# KiCad board CRMHJN_capable_carrier.kicad_pcb (continued)
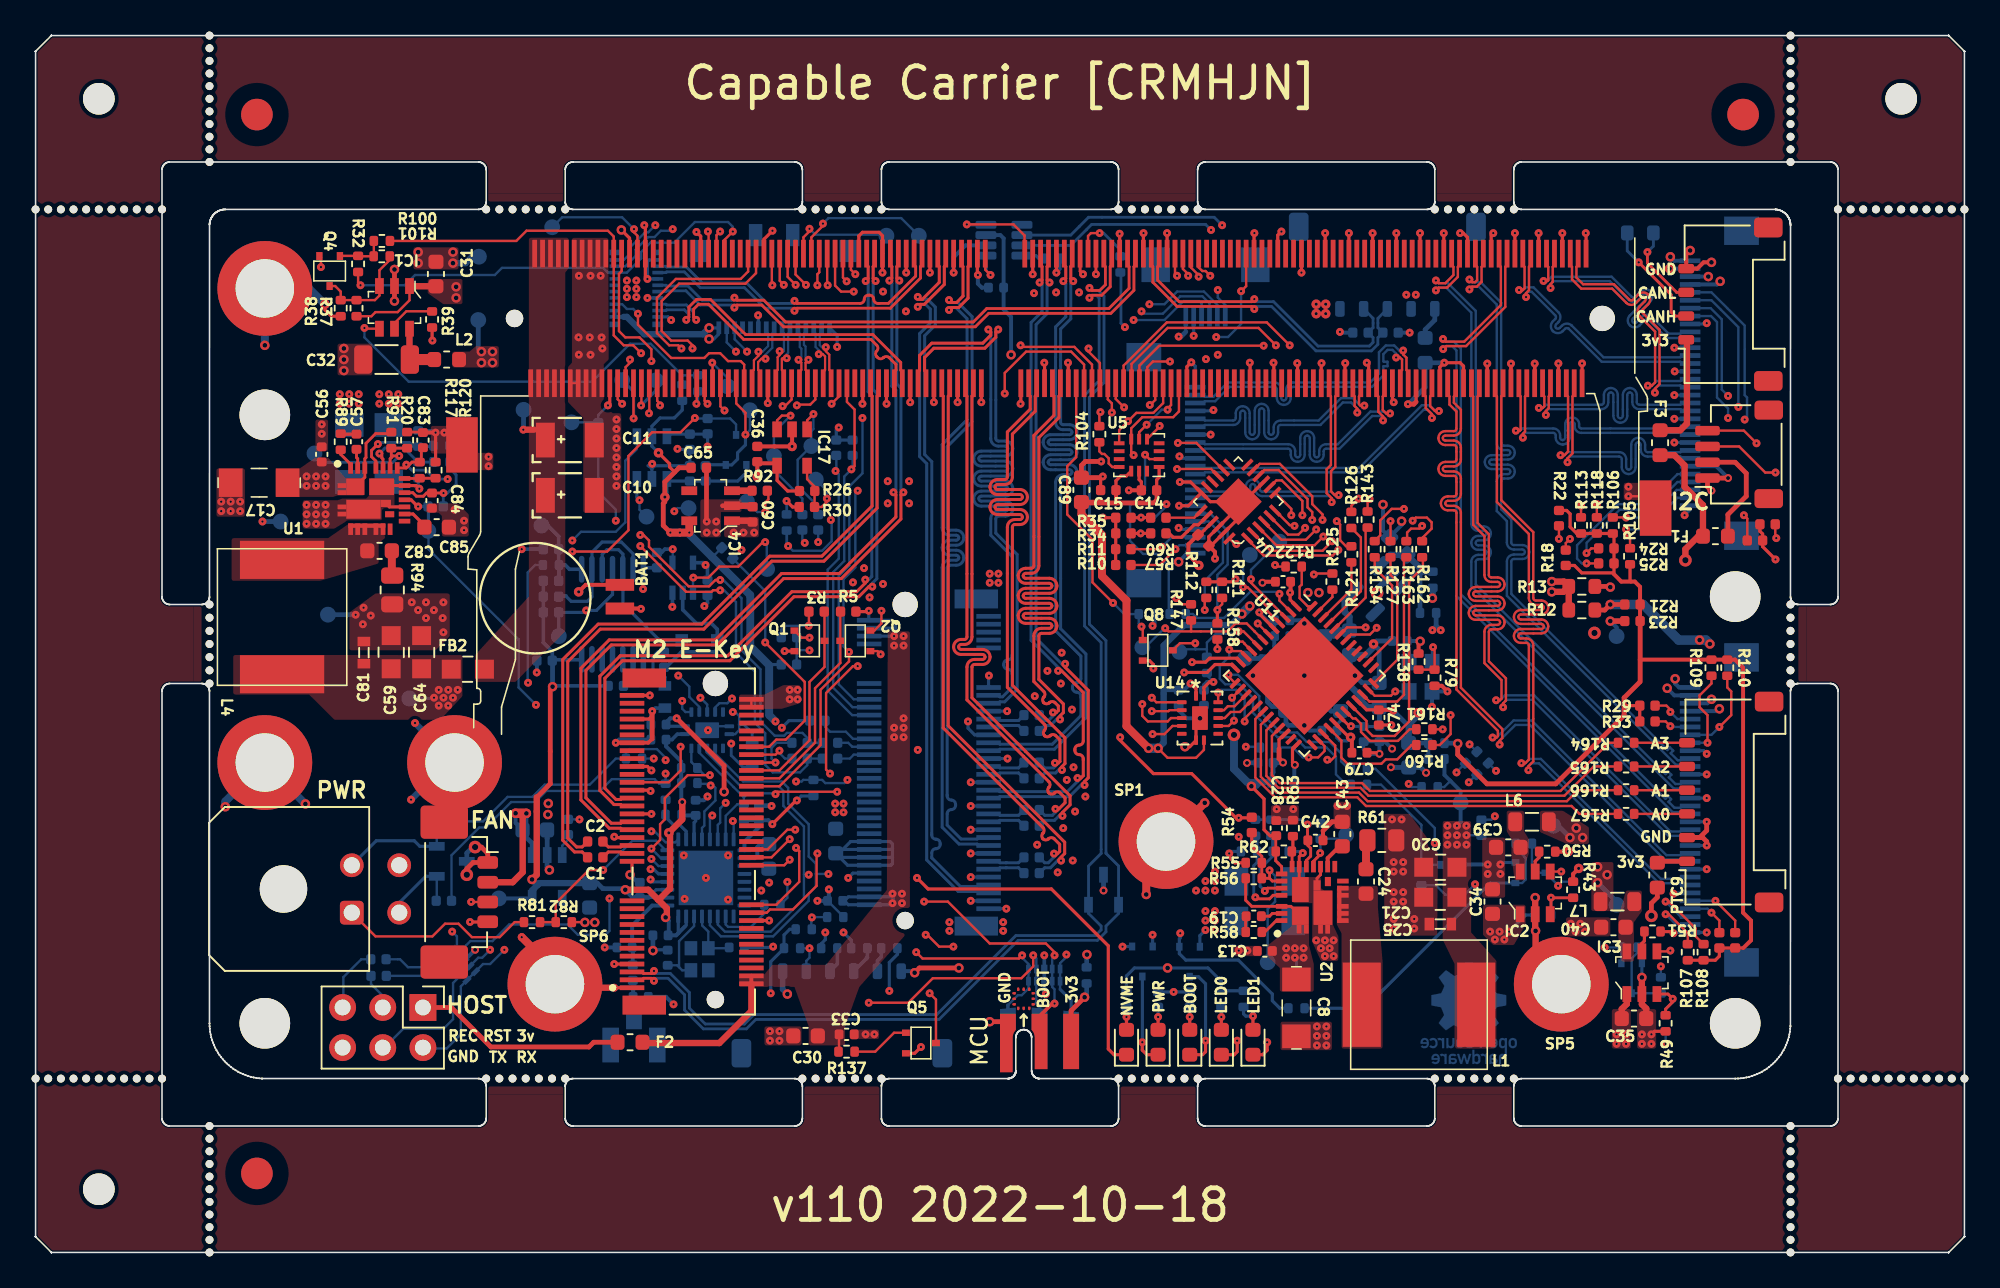
[diagram p0: board, top side]
## Placement (name value [footprint] x y rotation side) (continued)
REF**#41  -  [NPTH]  117.2 66 0 top
REF**#42  -  [NPTH]  50.17 66 0 top
REF**#43  -  [NPTH]  72.67 66 0 top
REF**#44  -  [Fiducial]  108 72 0 top
REF**#45  -  [NPTH]  71.83 66 0 top
REF**#46  -  [NPTH]  49.33 11 0 top
REF**#47  -  [NPTH]  118.8 66 0 top
REF**#48  -  [NPTH]  118 66 0 top
REF**#49  -  [NPTH]  31 11 0 top
REF**#50  -  [NPTH]  4.8 11 0 top
REF**#51  -  [NPTH]  111 72.2 0 top
REF**#52  -  [NPTH]  51.83 11 0 top
REF**#53  -  [NPTH#2]  4 73 0 top
REF**#54  -  [NPTH]  70.17 11 0 top
REF**#55  -  [NPTH]  11 7.2 0 top
REF**#56  -  [NPTH]  5.6 66 0 top
REF**#57  -  [NPTH]  31.83 66 0 top
REF**#58  -  [NPTH]  111 4 0 top
REF**#59  -  [NPTH]  53.5 11 0 top
REF**#60  -  [NPTH]  11 77 0 top
REF**#61  -  [NPTH]  111 6.4 0 top
REF**#62  -  [NPTH]  51 66 0 top
REF**#63  -  [NPTH]  70.17 66 0 top
REF**#64  -  [NPTH]  31 66 0 top
REF**#65  -  [NPTH]  116.4 11 0 top
REF**#66  -  [NPTH]  11 76.2 0 top
REF**#67  -  [NPTH]  4 11 0 top
REF**#68  -  [NPTH]  33.5 66 0 top
REF**#69  -  [NPTH]  111 73.8 0 top
REF**#70  -  [NPTH]  11 4.8 0 top
REF**#71  -  [NPTH]  111 37.67 0 top
REF**#72  -  [NPTH]  69.33 11 0 top
REF**#73  -  [NPTH]  117.2 11 0 top
REF**#74  -  [NPTH]  111 4.8 0 top
REF**#75  -  [NPTH]  73.5 66 0 top
REF**#76  -  [NPTH]  11 0 0 top
REF**#77  -  [NPTH]  92.67 66 0 top
REF**#78  -  [NPTH]  111 71.4 0 top
REF**#79  -  [NPTH]  89.33 66 0 top
REF**#80  -  [NPTH]  3.2 66 0 top
REF**#81  -  [NPTH]  8 66 0 top
REF**#82  -  [NPTH]  111 69.8 0 top
REF**#83  -  [NPTH]  48.5 66 0 top
REF**#84  -  [NPTH]  121.2 66 0 top
REF**#85  -  [NPTH]  33.5 11 0 top
REF**#86  -  [NPTH]  115.6 11 0 top
REF**#87  -  [NPTH]  114.8 66 0 top
REF**#88  -  [NPTH]  111 36 0 top
REF**#89  -  [NPTH]  48.5 11 0 top
REF**#90  -  [NPTH]  11 39.33 0 top
REF**#91  -  [NPTH]  11 73.8 0 top
REF**#92  -  [NPTH]  4 66 0 top
REF**#93  -  [NPTH]  111 75.4 0 top
REF**#94  -  [NPTH]  30.17 11 0 top
REF**#95  -  [NPTH]  8 11 0 top
REF**#96  -  [NPTH]  11 74.6 0 top
REF**#97  -  [NPTH]  11 73 0 top
REF**#98  -  [NPTH]  88.5 11 0 top
REF**#99  -  [Fiducial]  14 72 0 top
REF**#100  -  [NPTH]  118.8 11 0 top
REF**#101  -  [NPTH]  11 40.17 0 top
REF**#102  -  [NPTH]  114 11 0 top
REF**#103  -  [NPTH]  119.6 66 0 top
REF**#104  -  [NPTH]  11 41 0 top
REF**#105  -  [NPTH]  111 41 0 top
REF**#106  -  [NPTH#2]  118 73 0 top
REF**#107  -  [NPTH]  92.67 11 0 top
REF**#108  -  [NPTH]  11 75.4 0 top
REF**#109  -  [NPTH]  115.6 66 0 top
REF**#110  -  [NPTH]  72.67 11 0 top
REF**#111  -  [NPTH]  32.67 66 0 top
REF**#112  -  [NPTH]  91.83 11 0 top
REF**#113  -  [NPTH]  68.5 11 0 top
REF**#114  -  [NPTH]  121.2 11 0 top
REF**#115  -  [NPTH]  71 66 0 top
REF**#116  -  [NPTH]  53.5 66 0 top
REF**#117  -  [NPTH]  71.83 11 0 top
REF**#118  -  [NPTH]  11 5.6 0 top
REF**#119  -  [Fiducial]  14 5 0 top
REF**#120  -  [NPTH]  93.5 66 0 top
REF**#121  -  [NPTH]  111 5.6 0 top
REF**#122  -  [NPTH]  11 72.2 0 top
REF**#123  -  [NPTH]  1.6 66 0 top
REF**#124  -  [NPTH]  2.4 66 0 top
REF**#125  -  [NPTH]  111 36.83 0 top
REF**#126  -  [NPTH]  68.5 66 0 top
REF**#127  -  [NPTH]  116.4 66 0 top
REF**#128  -  [NPTH]  11 38.5 0 top
REF**#129  -  [NPTH]  119.6 11 0 top
REF**#130  -  [NPTH]  111 39.33 0 top
REF**#131  -  [NPTH]  111 38.5 0 top
REF**#132  -  [NPTH]  5.6 11 0 top
REF**#133  -  [NPTH]  111 0.8 0 top
REF**#134  -  [NPTH]  90.17 11 0 top
REF**#135  -  [NPTH]  111 76.2 0 top
REF**#136  -  [NPTH]  28.5 11 0 top
REF**#137  -  [NPTH]  11 6.4 0 top
REF**#138  -  [NPTH]  91 11 0 top
REF**#139  -  [NPTH]  11 8 0 top
REF**#140  -  [NPTH#2]  4 4 0 top
REF**#141  -  [NPTH]  111 2.4 0 top
REF**#142  -  [NPTH]  71 11 0 top
REF**#143  -  [NPTH]  51 11 0 top
REF**#144  -  [NPTH]  0.8 66 0 top
REF**#145  -  [NPTH]  11 37.67 0 top
REF**#146  -  [NPTH]  11 0.8 0 top
REF**#147  -  [NPTH]  11 4 0 top
REF**#148  -  [NPTH]  11 36 0 top
REF**#149  -  [NPTH]  122 66 0 top
REF**#150  -  [NPTH]  52.67 66 0 top
REF**#151  -  [NPTH]  111 40.17 0 top
REF**#152  -  [NPTH]  6.4 11 0 top
REF**#153  -  [NPTH]  28.5 66 0 top
REF**#154  -  [NPTH]  111 73 0 top
REF**#155  -  [NPTH]  2.4 11 0 top
REF**#156  -  [NPTH]  11 71.4 0 top
REF**#157  -  [NPTH]  11 69 0 top
REF**#158  -  [NPTH]  4.8 66 0 top
REF**#159  -  [NPTH]  6.4 66 0 top
REF**#160  -  [NPTH]  88.5 66 0 top
REF**#161  -  [NPTH]  111 8 0 top
REF**#162  -  [NPTH]  111 77 0 top
REF**#163  -  [NPTH]  7.2 66 0 top
REF**#164  -  [NPTH]  111 70.6 0 top
REF**#165  -  [Fiducial]  14 72 0 bottom
REF**#166  -  [Fiducial]  14 5 0 bottom
REF**#167  -  [Fiducial]  108 72 0 bottom
SP1  9774015151R  [M2.5-2.5mm]  71.5 26 0 top
SP2  9774040151  [M2.5-4mm]  26.5 31 180 bottom
SP3  9774015151R  [M2.5-2.5mm]  14.5 61 180 bottom
SP5  9774060151  [M2.5-6mm]  96.5 16.98 0 top
SP6  9774060151  [M2.5-6mm]  32.85 16.98 0 top
SP7  9774040151  [M2.5-4mm]  14.5 31 0 bottom
T2  BSS138APW  [SC70-3]  72.99 18.39 270 bottom
T3  BSS138APW  [SC70-3]  44.31 50.78 90 bottom
T4  BSS138APW  [SC70-3]  70.01 18.41 270 bottom
TP1  ~  [TestPoint_Pad_D1.0mm]  78.67 44.98 0 bottom
TP2  ~  [TestPoint_Pad_D1.0mm]  55.86 64.34 180 bottom
TP3  ~  [TestPoint_Pad_D1.0mm]  29.3 22.4 0 bottom
TP4  Testpad  [TestPoint_Pad_D1.0mm]  49.35 48.9 180 bottom
TP7  Testpad  [TestPoint_Pad_D1.0mm]  79.75 17.17 180 bottom
TP8  Testpad  [TestPoint_Pad_D1.0mm]  77.93 18.36 180 bottom
TP10  ~  [TestPoint_Pad_D1.0mm]  76.8 44.13 0 bottom
TP11  Testpad  [TestPoint_Pad_D1.0mm]  15.74 48.4 0 bottom
TP12  Testpad  [TestPoint_Pad_D1.0mm]  82.89 26.42 180 bottom
TP13  ~  [TestPoint_Pad_D1.0mm]  38.64 46.56 0 bottom
TP14  ~  [TestPoint_Pad_D1.0mm]  45.18 53.29 0 bottom
TP15  Testpad  [TestPoint_Pad_D1.0mm]  17.64 50.56 0 bottom
TP16  ~  [TestPoint_Pad_D1.0mm]  15.5 46.25 0 bottom
TP17  ~  [TestPoint_Pad_D1.0mm]  18.49 40.36 0 bottom
TP18  ~  [TestPoint_Pad_D1.0mm]  53.81 64.34 180 bottom
TP19  ~  [TestPoint_Pad_D1.0mm]  39.25 55.19 180 bottom
TP20  Testpad  [TestPoint_Pad_D1.0mm]  90.14 28.47 180 bottom
TP21  ~  [TestPoint_Pad_D1.0mm]  37.1 55.2 180 bottom
TP22  TestPoint  [TestPoint_Pad_D1.0mm]  96 27 180 bottom
TP23  ~  [TestPoint_Pad_D1.0mm]  49.07 51.02 0 bottom
TP24  ~  [TestPoint_Pad_D1.0mm]  46.7 50.4 0 bottom
TP25  TestPoint  [TestPoint_Pad_D1.0mm]  100 22 180 bottom
TP27  ~  [TestPoint_Pad_D1.0mm]  41.3 47.1 0 bottom
TP28  ~  [TestPoint_Pad_D1.0mm]  32.68 64.87 0 bottom
TP29  ~  [TestPoint_Pad_D1.0mm]  44.99 47.51 0 bottom
TP30  TestPoint  [TestPoint_Pad_D1.0mm]  46.27 43.24 180 bottom
TP31  ~  [TestPoint_Pad_D1.0mm]  33.9 52.53 0 bottom
TP32  TestPoint  [TestPoint_Pad_D1.0mm]  32 46 180 bottom
TP33  TestPoint  [TestPoint_Pad_D1.0mm]  33.1 38.99 180 bottom
TP34  TestPoint  [TestPoint_Pad_D1.0mm]  28 59 180 bottom
TP35  TestPoint  [TestPoint_Pad_D1.0mm]  76.5 37.59 180 bottom
TP36  TestPoint  [TestPoint_Pad_D1.0mm]  72.34 38.01 180 bottom
TP37  TestPoint  [TestPoint_Pad_D1.0mm]  70 38.3 180 bottom
TP38  ~  [TestPoint_Pad_D1.0mm]  30.87 53.32 0 bottom
TP39  ~  [TestPoint_Pad_D1.0mm]  43.76 54.81 0 bottom
TP40  Testpad  [TestPoint_Pad_D1.0mm]  24.84 45.66 0 bottom
TP41  Testpad  [TestPoint_Pad_D1.0mm]  23.64 35.06 0 bottom
TP44  ~  [TestPoint_Pad_D1.0mm]  28.04 63.01 0 bottom
TP47  ~  [TestPoint_Pad_D1.0mm]  100 39 0 bottom
U1  SIC437  [SIC437AED-T1-GE3]  21.4 47.7 0 top
U2  SIC437  [SIC437AED-T1-GE3]  80.75 22.47 90 top
U3  SN74LXC1T45DBVR  [SOT-23-6]  38.98 50.29 180 bottom
U4  PCA9547BS,118  [HVQFN24]  76.07 47.51 135 top
U5  IIM-42652  [Bosch_LGA-14_3x2.5mm_P0.5mm]  69.8 50.45 0 top
U6  MAX3051  [SOT-23-8]  61.25 64.05 0 bottom
U7  ESP32-C3  [QFN-32-1EP_5x5mm_P0.5mm_EP3.45x3.45mm]  42.4 23.7 0 bottom
U8  TXU0304BQA  [TXU0304BQAR]  42.48 33.05 270 bottom
U9  TPD4E05U06DQAR  [USON-10_2.5x1.0mm_P0.5mm]  63.8 17.55 90 bottom
U10  TPD4E05U06DQAR  [USON-10_2.5x1.0mm_P0.5mm]  26.85 18.2 45 bottom
U11  ICE40-UP-IO39  [QFN-48-1EP_7x7mm_P0.5mm_EP5.3x5.3mm]  80.25 36.5 315 top
U12  SIT8008BI-13-YYS-12.000000  [Oscillator_SMD_Kyocera_KC2520Z-4Pin_2.5x2.0mm]  87.6 36.42 180 bottom
U13  LP5907MFX-1.2/NOPB  [SOT-23-5#2]  84.87 41.98 225 bottom
U14  TXU0304BQA  [TXU0304BQAR]  73.65 33.81 0 top
Y1  40 MHz  [Crystal_SMD_2016-4Pin_2.0x1.6mm]  42 18.55 270 bottom

## Library data of the parts
BAT1 = -: Manufacturer: Seiko
C1 C2 C9 C14 C15 C18 C19 C23 C26 C33 C36-C38 C46 C48 C49 C51 C52 C57 C68-C71 C86 C88 = -: MPN: 0402X104K6R3CT; Manufacturer: Walsin; Val: 100n
C3 = -: MPN: C1005X5R1A225K050BC; Manufacturer: TDK; Val: 4u7
C4 C28 C44 C45 C50 C53 C58 C66 C67 C73 C74 C78 C79 C83 C87 C90 = -: Val: 100n
C5 C76 C77 = -: Val: 4u7
C8 C12 C17 C22 = -: MPN: C3216X7R1H106K160AE; Manufacturer: TDK; Val: 10u/50V
C10 C11 = -: MPN: T520B337M006ATE040; Manufacturer: KEMET; Val: 330u
C13 C56 = -: MPN: GRM155R71H104KE14D; Manufacturer: Murata; Val: 100n/50V
C16 C55 C62 C75 C89 = -: Val: 1u
C20 C21 C59 C64 = -: MPN: C0805C476M9PACTU; Manufacturer: KEMET; Val: 47u
C24 C82 L2 L3 L6 L7 = -: Manufacturer: Murata
C25 C30 C47 C54 C63 C81 = -: MPN: GRM188R61A106KE69D; Manufacturer: Murata; Val: 10u
C27 C29 = -: Val: 16p
C31 C34 C35 C39 C40 C80 = -: Val: 10u
C32 = -: MPN: C1206C107M9PACTU; Manufacturer: Kemet; Val: 100u; Voltage: 6.3V
C41 = -: MPN: MC0402X473K160CT; Manufacturer: MULTICOMP; Val: 47n
C42 C65 C84 = -: MPN: C1005X6S1A105K050BC; Manufacturer: TDK; Val: 1u
C43 C85 = -: MPN: C1608X5R1V475M080AC; Manufacturer: TDK; Val: 4u7
C60 = -: MPN: C1005X5R1A225K050BC; Manufacturer: TDK; Val: 2u2
C61 C72 = -: Val: 10n
D3 D4 U4 = -: Manufacturer: Nexperia
D13 = -: Manufacturer: ON Semiconductor
FB1-FB3 = -: Manufacturer: Wurth Electronic
IC1-IC3 = -: Manufacturer: Diodes Incorporated
IC4 IC13 U3 = -: Manufacturer: Texas Instruments
IC12 = -: Manufacturer: NXP
IC17 = -: Manufacturer: Atmel
J3 = -: Field4: KEEPOUT
J8 = -: MPN: MDT580M01001; Manufacturer: Amphenol
J12 = -: MPN: 0533980471; Manufacturer: Molex
J13 = -: Field4: *; Field5: *
L1 L4 = -: Manufacturer: Vishay; MaxCur: 9.2A; Size: 8.64x8.18; Val: 3u3/9.2A; Field9: REF**
M1 = -: MPN: 2309413-1; Manufacturer: TE
M2 = -: MPN: 900-13448-0020-000; Manufacturer: Nvidia
Q1-Q8 T2-T4 = -: MPN: BSS138PW; Manufacturer: ON Semiconductor
R1 R32 R101 R119 R135 = -: DNP: DNP; MPN: ERJ2GE0R00X; Manufacturer: PANASONIC; Val: 0R
R2 R3 R5 R31 R46 R47 R54 R63 R95 R114-R116 R124 R132 R133 = -: MPN: CRCW040210K0FKEDHP; Manufacturer: VISHAY; Val: 10k
R10 R11 R18 R22 R24 R25 R27-R29 R33-R35 R102 R103 = -: MPN: CRCW04022K00FKED; Manufacturer: VISHAY; Val: 2k
R12 R21 R57 R60 R92 = -: MPN: ERJ2GE0R00X; Manufacturer: PANASONIC; Val: 0R
R13 = -: MPN: ERJ2GE0R00X; Manufacturer: PANASONIC; Val: DNP
R14 R97-R99 = -: MPN: CRCW0402470RFKED; Manufacturer: VISHAY; Val: 470R
R16 R36 = -: MPN: CR0402-FX-1001GLF; Manufacturer: BOURNS; Val: 1k
R17 R48 R78 R90 = -: Val: 100k
R23 R40 R41 R66-R69 R88 R93 R100 R123 R134 R144 R145 R148 R150 R151 = -: Val: 0R
R26 R42 R52 R70 R71 R82 R83 R105-R113 R118 R129-R131 R137 R138 R146 R147 R157 = -: Val: 10k
R37 = -: Val: 10K
R39 R50 R51 = -: MPN: ERJ2RKF1242X; Manufacturer: PANASONIC_ELECTRONIC_COMPONENTS; Val: 12k4
R43 R49 = -: DNP: DNP; Val: 10k
R45 R74 = -: Val: 510k
R56 = -: MPN: CRCW0402100KFKEDHP; Manufacturer: VISHAY; Val: DNP
R58 R89 = -: MPN: ERJ2GEJ3R3X; Manufacturer: Panasonic; Val: 3R3
R59 R91 R96 = -: MPN: CRCW0402100KFKEDHP; Manufacturer: VISHAY; Val: 100k
R62 = -: Val: 45k3
R64 R65 R75-R77 = -: Val: 2k
R79 R149 R152 = -: Val: DNP
R80 R141 = -: Val: 0
R84 R86 = -: MPN: RC0402FR-07200KL; Manufacturer: YAGEO_(PHYCOMP); Val: 200k
R85 = -: MPN: RC0402FR-07470KL; Manufacturer: YAGEO; Val: 470k
R104 R121 R122 R125-R127 R139 R140 R142 R143 R153-R155 R158-R167 = -: Val: 1k
R117 = -: Val: 75k
R120 = -: Val: 10k2
R128 = -: Val: 470R
R136 = -: Val: 200k
R156 = -: Val: 120R
SP1 SP3 SP5-SP7 = -: Manufacturer: Wurth Elektronik
SP2 = -: DNP: DNP; Manufacturer: Wurth Elektronik
TP1-TP4 TP7 TP8 TP10-TP21 TP23 TP24 TP27-TP29 TP31 TP38-TP41 TP44 TP47 = -: MPN: N/A; Manufacturer: N/A
U8 U14 = -: Field4: *

## Footprints (pads in the part's own frame, mm; a bottom-side part is the same pattern mirrored in y, then rotated)
0402-cap
  rrect 0.59x0.64 smd: 1(-0.485,0) 2(0.485,0)
0402-res
  rrect 0.59x0.64 smd: 1(-0.485,0) 2(0.485,0)
0603-cap
  rect 0.6x0.8 smd: 1(-0.7,0) 2(0.7,0)
0805-cap
  rect 1.2x1.2 smd: 1(-1.05,0) 2(1.05,0)
0805-res
  rect 1.2x1.2 smd: 1(-1.05,0) 2(1.05,0)
1206-cap
  rect 1.5x1.8 smd: 1(-1.8,0) 2(1.8,0)
1206-res
  rect 1.5x1.8 smd: 1(-1.8,0) 2(1.8,0)
Bosch_LGA-14_3x2.5mm_P0.5mm
  rect 0.675x0.25 smd: 1(-1.262,0.75) 2(-1.262,0.25) 3(-1.262,-0.25) 4(-1.262,-0.75) 8(1.262,-0.75) 9(1.262,-0.25) 10(1.262,0.25) 11(1.262,0.75)
  rect 0.25x0.675 smd: 5(-0.5,-1.012) 6(0,-1.012) 7(0.5,-1.012) 12(0.5,1.012) 13(0,1.012) 14(-0.5,1.012)
C_0402_1005Metric
  rrect 0.56x0.62 smd: 1(-0.48,0) 2(0.48,0)
C_0603_1608Metric
  rrect 0.9x0.95 smd: 1(-0.775,0) 2(0.775,0)
C_0805_2012Metric
  rrect 1x1.45 smd: 1(-0.95,0) 2(0.95,0)
C_1206_3216Metric
  rrect 1.15x1.8 smd: 1(-1.475,0) 2(1.475,0)
Crystal_SMD_2016-4Pin_2.0x1.6mm
  rect 0.9x0.8 smd: 1(-0.7,-0.55) 2(0.7,-0.55) 3(0.7,0.55) 4(-0.7,0.55)
D_0402_1005Metric
  rrect 0.59x0.64 smd: 1(-0.485,0) 2(0.485,0)
D_SOD-523
  rect 0.6x0.7 smd: 1(-0.7,0) 2(0.7,0)
DebugEdge_2x03_Target
  custom 1x3.7 smd: 1(-2,3.6)
  custom 1x3.5 smd: 2(0,3.6)
  custom 1x3.9 smd far side: 3(-2,2.1) 4(0,2.1)
  rect 1x3.5 smd: 5(2,2.35)
  custom 1x3.7 smd far side: 6(2,2.4)
DF40C-20DP-0.4V51
  rect 0.23x0.685 smd: 1(1.8,-1.355) 2(1.8,1.355) 3(1.4,-1.355) 4(1.4,1.355) 5(1,-1.355) 6(1,1.355) 7(0.6,-1.355) 8(0.6,1.355) 9(0.2,-1.355) 10(0.2,1.355) 11(-0.2,-1.355) 12(-0.2,1.355) 13(-0.6,-1.355) 14(-0.6,1.355) 15(-1,-1.355) 16(-1,1.355) 17(-1.4,-1.355) 18(-1.4,1.355) 19(-1.8,-1.355) 20(-1.8,1.355)
  rect 0.356x0.685 smd: 21(-2.275,1.355) 22(2.275,1.355) 23(-2.275,-1.355) 24(2.275,-1.355)
Fiducial
  round 2 smd: (0,0)
Fuse_0603_1608Metric
  rrect 0.875x0.95 smd: 1(-0.787,0) 2(0.787,0)
Hirose_FH12-6S-0.5SH_1x06-1MP_P0.50mm_Horizontal
  rect 0.3x1.3 smd: 1(-1.25,1.85) 2(-0.75,1.85) 3(-0.25,1.85) 4(0.25,1.85) 5(0.75,1.85) 6(1.25,1.85)
  rect 1.8x2.2 smd: MP(-3.15,-1.4) MP(3.15,-1.4)
Hirose_FH12-22S-0.5SH_1x22-1MP_P0.50mm_Horizontal
  rect 0.3x1.3 smd: 1(-5.25,1.85) 2(-4.75,1.85) 3(-4.25,1.85) 4(-3.75,1.85) 5(-3.25,1.85) 6(-2.75,1.85) 7(-2.25,1.85) 8(-1.75,1.85) 9(-1.25,1.85) 10(-0.75,1.85) 11(-0.25,1.85) 12(0.25,1.85) 13(0.75,1.85) 14(1.25,1.85) 15(1.75,1.85) 16(2.25,1.85) 17(2.75,1.85) 18(3.25,1.85) 19(3.75,1.85) 20(4.25,1.85) 21(4.75,1.85) 22(5.25,1.85)
  rect 1.8x2.2 smd: MP(-7.15,-1.4) MP(7.15,-1.4)
Hirose_FH12-32S-0.5SH_1x32-1MP_P0.50mm_Horizontal
  rect 0.3x1.3 smd: 1(-7.75,1.85) 2(-7.25,1.85) 3(-6.75,1.85) 4(-6.25,1.85) 5(-5.75,1.85) 6(-5.25,1.85) 7(-4.75,1.85) 8(-4.25,1.85) 9(-3.75,1.85) 10(-3.25,1.85) 11(-2.75,1.85) 12(-2.25,1.85) 13(-1.75,1.85) 14(-1.25,1.85) 15(-0.75,1.85) 16(-0.25,1.85) 17(0.25,1.85) 18(0.75,1.85) 19(1.25,1.85) 20(1.75,1.85) 21(2.25,1.85) 22(2.75,1.85) 23(3.25,1.85) 24(3.75,1.85) 25(4.25,1.85) 26(4.75,1.85) 27(5.25,1.85) 28(5.75,1.85) 29(6.25,1.85) 30(6.75,1.85) 31(7.25,1.85) 32(7.75,1.85)
  rect 1.8x2.2 smd: MP(-9.65,-1.4) MP(9.65,-1.4)
HVQFN24
  rect 0.9x0.24 smd: 1(-2.05,1.25) 2(-2.05,0.75) 3(-2.05,0.25) 4(-2.05,-0.25) 5(-2.05,-0.75) 6(-2.05,-1.25) 13(2.05,-1.25) 14(2.05,-0.75) 15(2.05,-0.25) 16(2.05,0.25) 17(2.05,0.75) 18(2.05,1.25)
  rect 0.24x0.9 smd: 7(-1.25,-2.05) 8(-0.75,-2.05) 9(-0.25,-2.05) 10(0.25,-2.05) 11(0.75,-2.05) 12(1.25,-2.05) 19(1.25,2.05) 20(0.75,2.05) 21(0.25,2.05) 22(-0.25,2.05) 23(-0.75,2.05) 24(-1.25,2.05)
  rect 2.1x2.1 smd: 25(0,0)
IHLP3232DZ
  rect 2.413x5.335 smd: 1(-3.619,0) 2(3.619,0)
jetson-nano-connector
  round 1.1 hole 1.1 unplated: (-66.2,42)
  round 1.6 hole 1.6 unplated: (2.6,42)
  rect 0.3x1.75 smd: 1(1.575,46.1) 2(1.325,37.9) 3(1.075,46.1) 4(0.825,37.9) 5(0.575,46.1) 6(0.325,37.9) 7(0.075,46.1) 8(-0.175,37.9) 9(-0.425,46.1) 10(-0.675,37.9) 11(-0.925,46.1) 12(-1.175,37.9) 13(-1.425,46.1) 14(-1.675,37.9) 15(-1.925,46.1) 16(-2.175,37.9) 17(-2.425,46.1) 18(-2.675,37.9) 19(-2.925,46.1) 20(-3.175,37.9) 21(-3.425,46.1) 22(-3.675,37.9) 23(-3.925,46.1) 24(-4.175,37.9) 25(-4.425,46.1) 26(-4.675,37.9) 27(-4.925,46.1) 28(-5.175,37.9) 29(-5.425,46.1) 30(-5.675,37.9) 31(-5.925,46.1) 32(-6.175,37.9) 33(-6.425,46.1) 34(-6.675,37.9) 35(-6.925,46.1) 36(-7.175,37.9) 37(-7.425,46.1) 38(-7.675,37.9) 39(-7.925,46.1) 40(-8.175,37.9) 41(-8.425,46.1) 42(-8.675,37.9) 43(-8.925,46.1) 44(-9.175,37.9) 45(-9.425,46.1) 46(-9.675,37.9) 47(-9.925,46.1) 48(-10.175,37.9) 49(-10.425,46.1) 50(-10.675,37.9) 51(-10.925,46.1) 52(-11.175,37.9) 53(-11.425,46.1) 54(-11.675,37.9) 55(-11.925,46.1) 56(-12.175,37.9) 57(-12.425,46.1) 58(-12.675,37.9) 59(-12.925,46.1) 60(-13.175,37.9) 61(-13.425,46.1) 62(-13.675,37.9) 63(-13.925,46.1) 64(-14.175,37.9) 65(-14.425,46.1) 66(-14.675,37.9) 67(-14.925,46.1) 68(-15.175,37.9) 69(-15.425,46.1) 70(-15.675,37.9) 71(-15.925,46.1) 72(-16.175,37.9) 73(-16.425,46.1) 74(-16.675,37.9) 75(-16.925,46.1) 76(-17.175,37.9) 77(-17.425,46.1) 78(-17.675,37.9) 79(-17.925,46.1) 80(-18.175,37.9) 81(-18.425,46.1) 82(-18.675,37.9) 83(-18.925,46.1) 84(-19.175,37.9) 85(-19.425,46.1) 86(-19.675,37.9) 87(-19.925,46.1) 88(-20.175,37.9) 89(-20.425,46.1) 90(-20.675,37.9) 91(-20.925,46.1) 92(-21.175,37.9) 93(-21.425,46.1) 94(-21.675,37.9) 95(-21.925,46.1) 96(-22.175,37.9) 97(-22.425,46.1) 98(-22.675,37.9) 99(-22.925,46.1) 100(-23.175,37.9) 101(-23.425,46.1) 102(-23.675,37.9) 103(-23.925,46.1) 104(-24.175,37.9) 105(-24.425,46.1) 106(-24.675,37.9) 107(-24.925,46.1) 108(-25.175,37.9) 109(-25.425,46.1) 110(-25.675,37.9) 111(-25.925,46.1) 112(-26.175,37.9) 113(-26.425,46.1) 114(-26.675,37.9) 115(-26.925,46.1) 116(-27.175,37.9) 117(-27.425,46.1) 118(-27.675,37.9) 119(-27.925,46.1) 120(-28.175,37.9) 121(-28.425,46.1) 122(-28.675,37.9) 123(-28.925,46.1) 124(-29.175,37.9) 125(-29.425,46.1) 126(-29.675,37.9) 127(-29.925,46.1) 128(-30.175,37.9) 129(-30.425,46.1) 130(-30.675,37.9) 131(-30.925,46.1) 132(-31.175,37.9) 133(-31.425,46.1) 134(-31.675,37.9) 135(-31.925,46.1) 136(-32.175,37.9) 137(-32.425,46.1) 138(-32.675,37.9) 139(-32.925,46.1) 140(-33.175,37.9) 141(-33.425,46.1) 142(-33.675,37.9) 143(-33.925,46.1) 144(-34.175,37.9) 145(-36.425,46.1) 146(-36.675,37.9) 147(-36.925,46.1) 148(-37.175,37.9) 149(-37.425,46.1) 150(-37.675,37.9) 151(-37.925,46.1) 152(-38.175,37.9) 153(-38.425,46.1) 154(-38.675,37.9) 155(-38.925,46.1) 156(-39.175,37.9) 157(-39.425,46.1) 158(-39.675,37.9) 159(-39.925,46.1) 160(-40.175,37.9) 161(-40.425,46.1) 162(-40.675,37.9) 163(-40.925,46.1) 164(-41.175,37.9) 165(-41.425,46.1) 166(-41.675,37.9) 167(-41.925,46.1) 168(-42.175,37.9) 169(-42.425,46.1) 170(-42.675,37.9) 171(-42.925,46.1) 172(-43.175,37.9) 173(-43.425,46.1) 174(-43.675,37.9) 175(-43.925,46.1) 176(-44.175,37.9) 177(-44.425,46.1) 178(-44.675,37.9) 179(-44.925,46.1) 180(-45.175,37.9) 181(-45.425,46.1) 182(-45.675,37.9) 183(-45.925,46.1) 184(-46.175,37.9) 185(-46.425,46.1) 186(-46.675,37.9) 187(-46.925,46.1) 188(-47.175,37.9) 189(-47.425,46.1) 190(-47.675,37.9) 191(-47.925,46.1) 192(-48.175,37.9) 193(-48.425,46.1) 194(-48.675,37.9) 195(-48.925,46.1) 196(-49.175,37.9) 197(-49.425,46.1) 198(-49.675,37.9) 199(-49.925,46.1) 200(-50.175,37.9) 201(-50.425,46.1) 202(-50.675,37.9) 203(-50.925,46.1) 204(-51.175,37.9) 205(-51.425,46.1) 206(-51.675,37.9) 207(-51.925,46.1) 208(-52.175,37.9) 209(-52.425,46.1) 210(-52.675,37.9) 211(-52.925,46.1) 212(-53.175,37.9) 213(-53.425,46.1) 214(-53.675,37.9) 215(-53.925,46.1) 216(-54.175,37.9) 217(-54.425,46.1) 218(-54.675,37.9) 219(-54.925,46.1) 220(-55.175,37.9) 221(-55.425,46.1) 222(-55.675,37.9) 223(-55.925,46.1) 224(-56.175,37.9) 225(-56.425,46.1) 226(-56.675,37.9) 227(-56.925,46.1) 228(-57.175,37.9) 229(-57.425,46.1) 230(-57.675,37.9) 231(-57.925,46.1) 232(-58.175,37.9) 233(-58.425,46.1) 234(-58.675,37.9) 235(-58.925,46.1) 236(-59.175,37.9) 237(-59.425,46.1) 238(-59.675,37.9) 239(-59.925,46.1) 240(-60.175,37.9) 241(-60.425,46.1) 242(-60.675,37.9) 243(-60.925,46.1) 244(-61.175,37.9) 245(-61.425,46.1) 246(-61.675,37.9) 247(-61.925,46.1) 248(-62.175,37.9) 249(-62.425,46.1) 250(-62.675,37.9) 251(-62.925,46.1) 252(-63.175,37.9) 253(-63.425,46.1) 254(-63.675,37.9) 255(-63.925,46.1) 256(-64.175,37.9) 257(-64.425,46.1) 258(-64.675,37.9) 259(-64.925,46.1) 260(-65.175,37.9)
  rect 2x3.5 smd: 261(-69.525,34) 262(5.975,30)
JST_SH_SM04B-SRSS-TB_1x04-1MP_P1.00mm_Horizontal
  rrect 0.6x1.55 smd: 1(-1.5,2) 2(-0.5,2) 3(0.5,2) 4(1.5,2)
  rrect 1.2x1.8 smd: MP(-2.8,-1.875) MP(2.8,-1.875)
KEMET_B
  rect 1.2x2.2 smd: 1(0.005,0) 2(3.1,0)
L_0402_1005Metric
  rrect 0.59x0.64 smd: 1(-0.485,0) 2(0.485,0)
L_0603_1608Metric
  rrect 0.875x0.95 smd: 1(-0.787,0) 2(0.787,0)
L_0805_2012Metric
  rrect 0.875x1.2 smd: 1(-1.062,0) 2(1.062,0)
LED_0603_1608Metric
  rrect 0.875x0.95 smd: 1(-0.787,0) 2(0.787,0)
M2.5-2.5mm
  round 6 hole 3.7: 1(0,0)
M2.5-4mm
  round 6 hole 3.7: 1(0,0)
M2.5-6mm
  round 6 hole 3.7: 1(0,0)
MDT580M01001
  round 1.6 hole 1.6 unplated: (-1.5,-10)
  round 1.1 hole 1.1 unplated: (-1.5,10)
  rect 1.55x0.3 smd: 1(3.775,9.25) 2(-3.775,9) 3(3.775,8.75) 4(-3.775,8.5) 5(3.775,8.25) 6(-3.775,8) 7(3.775,7.75) 8(-3.775,7.5) 9(3.775,7.25) 10(-3.775,7) 11(3.775,6.75) 12(-3.775,6.5) 13(3.775,6.25) 14(-3.775,6) 15(3.775,5.75) 16(-3.775,5.5) 17(3.775,5.25) 18(-3.775,5) 19(3.775,4.75) 20(-3.775,4.5) 21(3.775,4.25) 22(-3.775,4) 23(3.775,3.75) 24(-3.775,3.5) 25(3.775,3.25) 26(-3.775,3) 27(3.775,2.75) 28(-3.775,2.5) 29(3.775,2.25) 30(-3.775,2) 31(3.775,1.75) 32(-3.775,1.5) 33(3.775,1.25) 34(-3.775,1) 35(3.775,0.75) 36(-3.775,0.5) 37(3.775,0.25) 38(-3.775,0) 39(3.775,-0.25) 40(-3.775,-0.5) 41(3.775,-0.75) 42(-3.775,-1) 43(3.775,-1.25) 44(-3.775,-1.5) 45(3.775,-1.75) 46(-3.775,-2) 47(3.775,-2.25) 48(-3.775,-2.5) 49(3.775,-2.75) 50(-3.775,-3) 51(3.775,-3.25) 52(-3.775,-3.5) 53(3.775,-3.75) 54(-3.775,-4) 55(3.775,-4.25) 56(-3.775,-4.5) 57(3.775,-4.75) 58(-3.775,-5) 67(3.775,-7.25) 68(-3.775,-7.5) 69(3.775,-7.75) 70(-3.775,-8) 71(3.775,-8.25) 72(-3.775,-8.5) 73(3.775,-8.75) 74(-3.775,-9) 75(3.775,-9.25)
  rect 2.75x1.2 smd: SH1(3,10.35) SH2(3,-10.35)
Molex_502244-1530_1x15-1MP_P0.5mm_Horizontal
  rect 0.3x0.8 smd: 1(-3.5,3.08) 2(-3,3.08) 3(-2.5,3.08) 4(-2,3.08) 5(-1.5,3.08) 6(-1,3.08) 7(-0.5,3.08) 8(0,3.08) 9(0.5,3.08) 10(1,3.08) 11(1.5,3.08) 12(2,3.08) 13(2.5,3.08) 14(3,3.08) 15(3.5,3.08)
  rect 1.22x1.4 smd: MP(-4.74,-1.77) MP(4.74,-1.77)
  rect 0.85x1.4 smd: MP(-1.175,-2.78) MP(1.175,-2.78)
Molex_Micro-Fit_3.0_43045-0400_2x02_P3.00mm_Horizontal
  round 3 hole 3 unplated: (1.5,4.32)
  rrect 1.5x1.5 hole 1.02: 1(0,0)
  round 1.5 hole 1.02: 2(3,0) 3(0,-3) 4(3,-3)
Molex_Pico-Lock_504050-0491_1x04-1MP_P1.50mm_Horizontal
  rrect 0.6x1 smd: 1(-2.25,2.795) 2(-0.75,2.795) 3(0.75,2.795) 4(2.25,2.795)
  rrect 1.25x1.8 smd: MP(-4.855,-2.395) MP(4.855,-2.395)
Molex_Pico-Lock_504050-0591_1x05-1MP_P1.50mm_Horizontal
  rrect 0.6x1 smd: 1(-3,2.795) 2(-1.5,2.795) 3(0,2.795) 4(1.5,2.795) 5(3,2.795)
  rrect 1.25x1.8 smd: MP(-5.605,-2.395) MP(5.605,-2.395)
Molex_Pico-Lock_504050-0691_1x06-1MP_P1.50mm_Horizontal
  rrect 0.6x1 smd: 1(-3.75,2.795) 2(-2.25,2.795) 3(-0.75,2.795) 4(0.75,2.795) 5(2.25,2.795) 6(3.75,2.795)
  rrect 1.25x1.8 smd: MP(-6.355,-2.395) MP(6.355,-2.395)
Molex_PicoBlade_53398-0471_1x04-1MP_P1.25mm_Vertical
  rrect 0.8x1.3 smd: 1(-1.875,1.25) 2(-0.625,1.25) 3(0.625,1.25) 4(1.875,1.25)
  rrect 2.1x3 smd: MP(-4.425,-1.5) MP(4.425,-1.5)
MountingHole_3.2mm_M3_ISO14580
  round 3.2 hole 3.2 unplated: (0,0)
MS621FE-FL11E
  rect 0.75x1.8 smd: +(0.75,0) -(-0.75,0)
NPTH
  round 0.5 hole 0.5 unplated: (0,0)
NPTH#2
  round 2 hole 2 unplated: (0,0)
Oscillator_SMD_Kyocera_KC2520Z-4Pin_2.5x2.0mm
  rect 0.95x1.05 smd: 1(-0.725,0.925) 2(-0.725,-0.925) 3(0.725,-0.925) 4(0.725,0.925)
PinHeader_2x03_P2.54mm_Vertical
  rect 1.7x1.7 hole 1: 1(0,0)
  oval 1.7x1.7 hole 1: 2(2.54,0) 3(0,-2.54) 4(2.54,-2.54) 5(0,-5.08) 6(2.54,-5.08)
QFN-32-1EP_5x5mm_P0.5mm_EP3.45x3.45mm
  rrect 0.93x0.93 smd: (-1.15,-1.15) (-1.15,0) (-1.15,1.15) (0,-1.15) (0,0) (0,1.15) (1.15,-1.15) (1.15,0) (1.15,1.15)
  rrect 0.875x0.25 smd: 1(-2.438,1.75) 2(-2.438,1.25) 3(-2.438,0.75) 4(-2.438,0.25) 5(-2.438,-0.25) 6(-2.438,-0.75) 7(-2.438,-1.25) 8(-2.438,-1.75) 17(2.438,-1.75) 18(2.438,-1.25) 19(2.438,-0.75) 20(2.438,-0.25) 21(2.438,0.25) 22(2.438,0.75) 23(2.438,1.25) 24(2.438,1.75)
  rrect 0.25x0.875 smd: 9(-1.75,-2.438) 10(-1.25,-2.438) 11(-0.75,-2.438) 12(-0.25,-2.438) 13(0.25,-2.438) 14(0.75,-2.438) 15(1.25,-2.438) 16(1.75,-2.438) 25(1.75,2.438) 26(1.25,2.438) 27(0.75,2.438) 28(0.25,2.438) 29(-0.25,2.438) 30(-0.75,2.438) 31(-1.25,2.438) 32(-1.75,2.438)
  rect 3.45x3.45 smd: 33(0,0)
QFN-48-1EP_7x7mm_P0.5mm_EP5.3x5.3mm
  rrect 1.07x1.07 smd: (-1.98,1.98) (-1.98,0.66) (-1.98,-0.66) (-1.98,-1.98) (-0.66,1.98) (-0.66,0.66) (-0.66,-0.66) (-0.66,-1.98) (0.66,1.98) (0.66,0.66) (0.66,-0.66) (0.66,-1.98) (1.98,1.98) (1.98,0.66) (1.98,-0.66) (1.98,-1.98)
  rrect 0.8x0.25 smd: 1(-3.45,2.75) 2(-3.45,2.25) 3(-3.45,1.75) 4(-3.45,1.25) 5(-3.45,0.75) 6(-3.45,0.25) 7(-3.45,-0.25) 8(-3.45,-0.75) 9(-3.45,-1.25) 10(-3.45,-1.75) 11(-3.45,-2.25) 12(-3.45,-2.75) 25(3.45,-2.75) 26(3.45,-2.25) 27(3.45,-1.75) 28(3.45,-1.25) 29(3.45,-0.75) 30(3.45,-0.25) 31(3.45,0.25) 32(3.45,0.75) 33(3.45,1.25) 34(3.45,1.75) 35(3.45,2.25) 36(3.45,2.75)
  rrect 0.25x0.8 smd: 13(-2.75,-3.45) 14(-2.25,-3.45) 15(-1.75,-3.45) 16(-1.25,-3.45) 17(-0.75,-3.45) 18(-0.25,-3.45) 19(0.25,-3.45) 20(0.75,-3.45) 21(1.25,-3.45) 22(1.75,-3.45) 23(2.25,-3.45) 24(2.75,-3.45) 37(2.75,3.45) 38(2.25,3.45) 39(1.75,3.45) 40(1.25,3.45) 41(0.75,3.45) 42(0.25,3.45) 43(-0.25,3.45) 44(-0.75,3.45) 45(-1.25,3.45) 46(-1.75,3.45) 47(-2.25,3.45) 48(-2.75,3.45)
  rect 5.3x5.3 smd: 49(0,0)
R-PDSO-G5
  rect 0.9x0.4 smd: 1(-0.95,0.65) 2(-0.95,0) 3(-0.95,-0.65) 4(0.95,-0.65) 5(0.95,0.65)
R_0402_1005Metric
  rrect 0.54x0.64 smd: 1(-0.51,0) 2(0.51,0)
R_0603_1608Metric
  rrect 0.8x0.95 smd: 1(-0.825,0) 2(0.825,0)
R_0805_2012Metric
  rrect 1.025x1.4 smd: 1(-0.912,0) 2(0.912,0)
SC70-3
  rect 0.5x0.4 smd: 1(-0.95,0.65) 2(-0.95,-0.65) 3(0.95,0)
SIC437AED-T1-GE3
  rect 0.55x0.3 smd: 1(-2.025,0.825) 2(-2.025,0.375) 3(-2.025,-0.525) 4(-2.025,-0.975)
  rect 0.3x0.725 smd: 5(-1.475,-1.938) 6(-1.025,-1.938) 7(-0.575,-1.938) 8(0.125,-1.938) 9(0.575,-1.938) 10(1.025,-1.938) 18(1.475,1.938) 19(1.025,1.938) 20(0.575,1.938) 21(0.125,1.938) 22(-0.575,1.938) 23(-1.025,1.938) 24(-1.475,1.938)
  rect 2.35x0.275 smd: 9(-0.45,-1.712)
  rect 0.725x0.3 smd: 11(1.938,-1.425) 12(1.938,-0.975) 13(1.938,-0.525) 14(1.938,-0.075) 15(1.938,0.375) 16(1.938,0.825) 17(1.938,1.275)
  rect 1.575x1.05 smd: 25(0.487,0.75)
  rect 1.15x1.05 smd: 26(-1.175,0.75)
  rect 2.175x1.2 smd: 27(-0.662,-0.675)
  rect 0.65x0.455 smd: 27(0.75,-0.302)
  rect 0.58x0.38 smd: 28(0.995,-0.99)
SOD-323
  rect 0.8x0.8 smd: A(1.125,0) K(-1.125,0)
SOT23-5
  rect 1x0.6 smd: 1(-1.15,0.95) 2(-1.15,0) 3(-1.15,-0.95) 4(1.15,-0.95) 5(1.15,0.95)
SOT-23-5
  rect 0.55x1 smd: 1(-0.95,-1.35) 2(0,-1.35) 3(0.95,-1.35) 4(0.95,1.35) 5(-0.95,1.35)
SOT-23-5#2
  rrect 1.325x0.6 smd: 1(-1.137,0.95) 2(-1.137,0) 3(-1.137,-0.95) 4(1.137,-0.95) 5(1.137,0.95)
SOT-23-6
  rect 0.55x1 smd: 1(-0.95,-1.35) 2(0,-1.35) 3(0.95,-1.35) 4(0.95,1.35) 5(0,1.35) 6(-0.95,1.35)
SOT-23-8
  rrect 1.325x0.5 smd: 1(-1.137,0.975) 2(-1.137,0.325) 3(-1.137,-0.325) 4(-1.137,-0.975) 5(1.137,-0.975) 6(1.137,-0.325) 7(1.137,0.325) 8(1.137,0.975)
SOT-23s
  rect 1x0.55 smd: 1(-0.95,0.95) 2(-0.95,-0.95) 3(0.95,0)
TE_2199119-4
  round 1.1 hole 1.1 unplated: (-10,0)
  round 1.6 hole 1.6 unplated: (10,0)
  rect 0.3x1.55 smd: 1(-9.25,5.275) 2(-9,-2.275) 3(-8.75,5.275) 4(-8.5,-2.275) 5(-8.25,5.275) 6(-8,-2.275) 7(-7.75,5.275) 8(-7.5,-2.275) 9(-7.25,5.275) 10(-7,-2.275) 11(-6.75,5.275) 12(-6.5,-2.275) 13(-6.25,5.275) 14(-6,-2.275) 15(-5.75,5.275) 16(-5.5,-2.275) 17(-5.25,5.275) 18(-5,-2.275) 19(-4.75,5.275) 20(-4.5,-2.275) 21(-4.25,5.275) 22(-4,-2.275) 23(-3.75,5.275) 32(-1.5,-2.275) 33(-1.25,5.275) 34(-1,-2.275) 35(-0.75,5.275) 36(-0.5,-2.275) 37(-0.25,5.275) 38(0,-2.275) 39(0.25,5.275) 40(0.5,-2.275) 41(0.75,5.275) 42(1,-2.275) 43(1.25,5.275) 44(1.5,-2.275) 45(1.75,5.275) 46(2,-2.275) 47(2.25,5.275) 48(2.5,-2.275) 49(2.75,5.275) 50(3,-2.275) 51(3.25,5.275) 52(3.5,-2.275) 53(3.75,5.275) 54(4,-2.275) 55(4.25,5.275) 56(4.5,-2.275) 57(4.75,5.275) 58(5,-2.275) 59(5.25,5.275) 60(5.5,-2.275) 61(5.75,5.275) 62(6,-2.275) 63(6.25,5.275) 64(6.5,-2.275) 65(6.75,5.275) 66(7,-2.275) 67(7.25,5.275) 68(7.5,-2.275) 69(7.75,5.275) 70(8,-2.275) 71(8.25,5.275) 72(8.5,-2.275) 73(8.75,5.275) 74(9,-2.275) 75(9.25,5.275)
  rect 1.2x2.75 smd: SH1(-10.35,4.5) SH2(10.35,4.5)
TestPoint_Pad_D1.0mm
  round 1 smd: 1(0,0)
TSSOP-14
  oval 1.7x0.35 smd: 1(-2.85,1.95) 2(-2.85,1.3) 3(-2.85,0.65) 4(-2.85,0) 5(-2.85,-0.65) 6(-2.85,-1.3) 7(-2.85,-1.95) 8(2.85,-1.95) 9(2.85,-1.3) 10(2.85,-0.65) 11(2.85,0) 12(2.85,0.65) 13(2.85,1.3) 14(2.85,1.95)
TXU0304BQAR
  rrect 0.25x0.6 smd: 1(-0.25,1.4) 7(-0.25,-1.4) 8(0.25,-1.4) 14(0.25,1.4)
  rrect 0.6x0.25 smd: 2(-1.15,1) 3(-1.15,0.5) 4(-1.15,0) 5(-1.15,-0.5) 6(-1.15,-1) 9(1.15,-1) 10(1.15,-0.5) 11(1.15,0) 12(1.15,0.5) 13(1.15,1)
  rrect 1x1.5 smd: 15(0,0)
U.FL_Hirose_U.FL-R-SMT-1_Vertical
  rect 1.05x1 smd: 1(-1.05,0)
  rect 2.2x1.05 smd: 2(0.475,-1.475) 2(0.475,1.475)
USON-10_2.5x1.0mm_P0.5mm
  rect 0.55x0.3 smd: 1(-0.385,1) 2(-0.385,0.5) 4(-0.385,-0.5) 5(-0.385,-1) 6(0.385,-1) 7(0.385,-0.5) 9(0.385,0.5) 10(0.385,1)
  rect 0.55x0.4 smd: 3(-0.385,0) 8(0.385,0)

## Nets
Board_0-/CSI/3V3_CAM_OUT: C40.1 IC3.6 L7.1
Board_0-/CSI/5V0_CAM_OUT: C39.1 IC2.6 L6.1
Board_0-/FPGA/VCC2V5: D9.1 U11.24
Board_0-/FPGA/VCCPLL: C78.2 C79.2 C80.2 FB4.2 U11.29
Board_0-/FPGA/VIN_1v2: C76.2 R151.2 R152.2 U13.1 U13.3
Board_0-/MCU/VDD_SPI: C16.1 U7.18
Board_0-/MCU/VIN_ADC: R81.2 R82.2 U7.8
Board_0-/Supply/3V_BOOT: C19.1 U2.23
Board_0-/Supply/3V_EN: R54.1 R55.2 R56.2 TP8.1 U2.19
Board_0-/Supply/3V_FB: R62.2 R63.1 U2.17
Board_0-/Supply/3V_MODE1: R44.2 R45.1 U2.21
Board_0-/Supply/3V_MODE2: R48.2 R53.1 U2.20
Board_0-/Supply/3V_PHASE: R58.2 U2.24
Board_0-/Supply/3V_SW: C24.2 L1.1 U2.5 U2.6 U2.7 U2.8 U2.9
